# Altium PCB CFD_V1.03.PcbDoc (part 2 of 10)
Units mm, origin at the board's own origin, x right, y up, seen from the top; angles counter-clockwise.
Board outline 96.25 x 362.25 mm, 6 copper layers (Top, L2, L3, L4, L5, Bot), stack 1.496 mm thick; 1353 components, 761 nets, 4147 pads, 1354 vias.
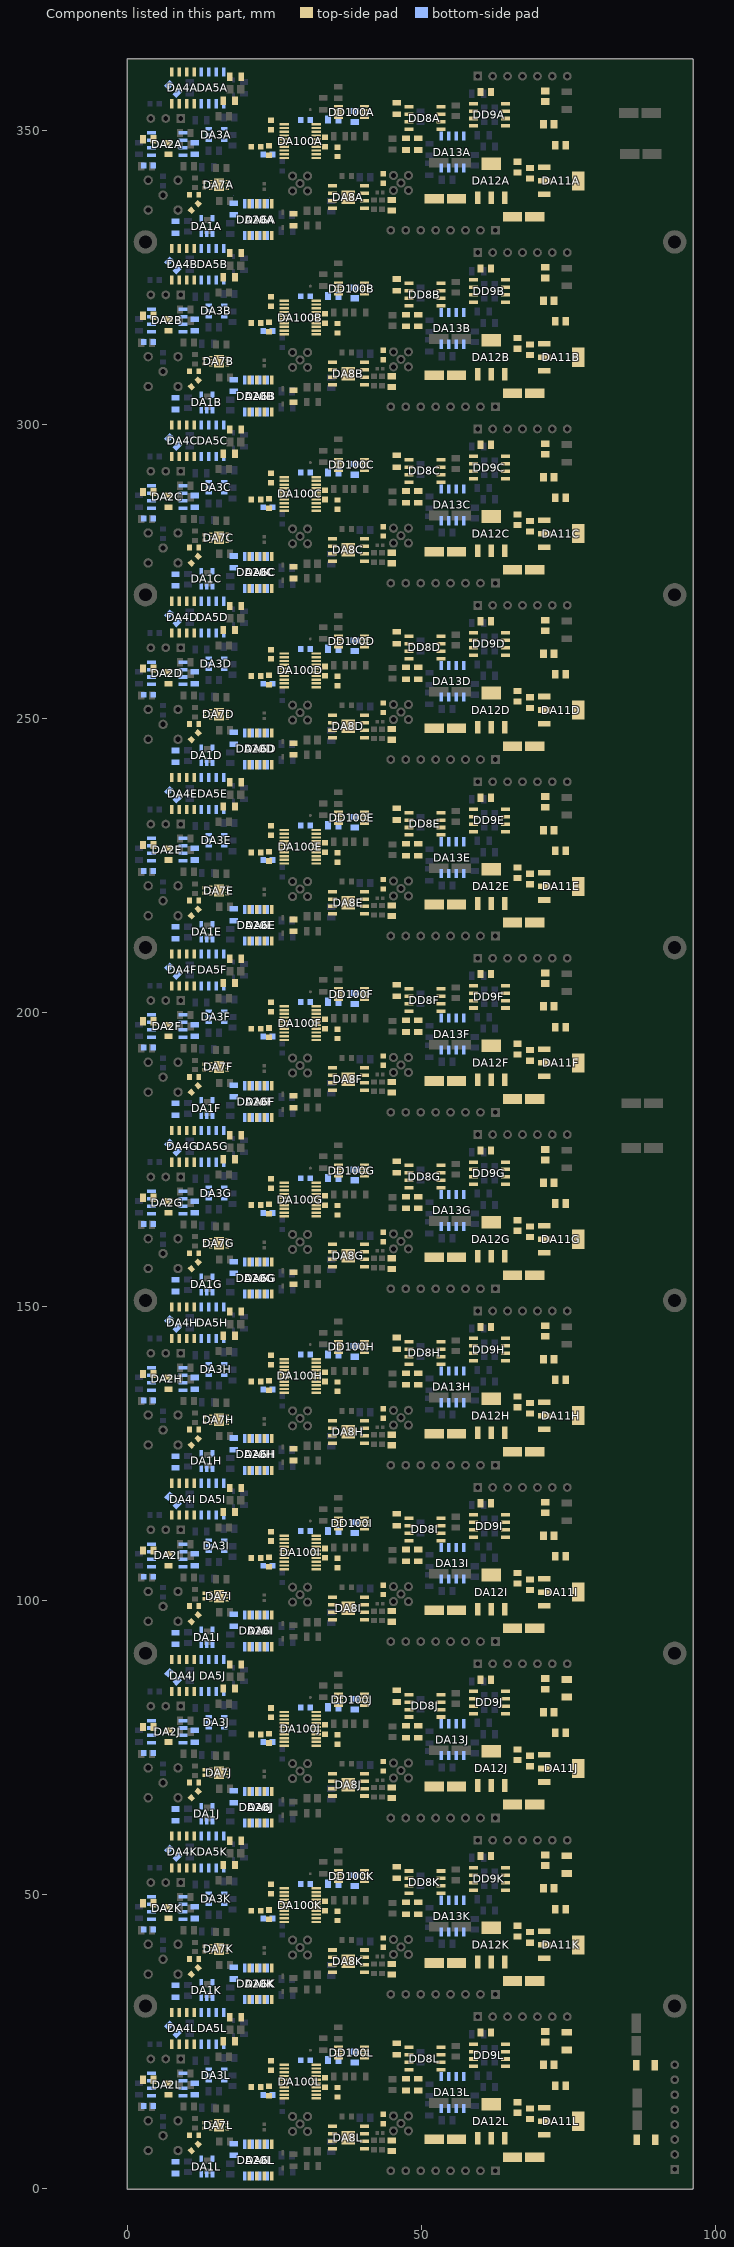
[diagram p6: the components of this part, seen from the top]

## Components (designator, comment, footprint, x,y, rotation, side; value= is the part's Value field where it differs from the comment) (continued)
C47J "4.7uF" CAPC3216X180N 74.662,85.04 r270 top (schematic designator C47)
C47K "4.7uF" CAPC3216X180N 74.662,55.04 r270 top (schematic designator C47)
C47L "4.7uF" CAPC3216X180N 74.662,25.04 r270 top (schematic designator C47)
C71A "220nF" CAPC2012X135N 3.48,348.464 r0 top (schematic designator C71)
C71B "220nF" CAPC2012X135N 3.48,318.464 r0 top (schematic designator C71)
C71C "220nF" CAPC2012X135N 3.48,288.464 r0 top (schematic designator C71)
C71D "220nF" CAPC2012X135N 3.48,258.464 r0 top (schematic designator C71)
C71E "220nF" CAPC2012X135N 3.48,228.464 r0 top (schematic designator C71)
C71F "220nF" CAPC2012X135N 3.48,198.464 r0 top (schematic designator C71)
C71G "220nF" CAPC2012X135N 3.48,168.464 r0 top (schematic designator C71)
C71H "220nF" CAPC2012X135N 3.48,138.464 r0 top (schematic designator C71)
C71I "220nF" CAPC2012X135N 3.48,108.464 r0 top (schematic designator C71)
C71J "220nF" CAPC2012X135N 3.48,78.464 r0 top (schematic designator C71)
C71K "220nF" CAPC2012X135N 3.48,48.464 r0 top (schematic designator C71)
C71L "220nF" CAPC2012X135N 3.48,18.464 r0 top (schematic designator C71)
C73A "220nF" CAPC2012X135N 44.869,337.255 r270 top (schematic designator C73)
C73B "220nF" CAPC2012X135N 44.869,307.255 r270 top (schematic designator C73)
C73C "220nF" CAPC2012X135N 44.869,277.255 r270 top (schematic designator C73)
C73D "220nF" CAPC2012X135N 44.869,247.255 r270 top (schematic designator C73)
C73E "220nF" CAPC2012X135N 44.869,217.255 r270 top (schematic designator C73)
C73F "220nF" CAPC2012X135N 44.869,187.255 r270 top (schematic designator C73)
C73G "220nF" CAPC2012X135N 44.869,157.255 r270 top (schematic designator C73)
C73H "220nF" CAPC2012X135N 44.869,127.255 r270 top (schematic designator C73)
C73I "220nF" CAPC2012X135N 44.869,97.255 r270 top (schematic designator C73)
C73J "220nF" CAPC2012X135N 44.869,67.255 r270 top (schematic designator C73)
C73K "220nF" CAPC2012X135N 44.869,37.255 r270 top (schematic designator C73)
C73L "220nF" CAPC2012X135N 44.869,7.255 r270 top (schematic designator C73)
C129A "220nF" CAPC2012X135N 68.389,342.665 r90 top (schematic designator C129)
C129B "220nF" CAPC2012X135N 68.389,312.665 r90 top (schematic designator C129)
C129C "220nF" CAPC2012X135N 68.389,282.665 r90 top (schematic designator C129)
C129D "220nF" CAPC2012X135N 68.389,252.665 r90 top (schematic designator C129)
C129E "220nF" CAPC2012X135N 68.389,222.665 r90 top (schematic designator C129)
C129F "220nF" CAPC2012X135N 68.389,192.665 r90 top (schematic designator C129)
C129G "220nF" CAPC2012X135N 68.389,162.665 r90 top (schematic designator C129)
C129H "220nF" CAPC2012X135N 68.389,132.665 r90 top (schematic designator C129)
C129I "220nF" CAPC2012X135N 68.389,102.665 r90 top (schematic designator C129)
C129J "220nF" CAPC2012X135N 68.389,72.665 r90 top (schematic designator C129)
C129K "220nF" CAPC2012X135N 68.389,42.665 r90 top (schematic designator C129)
C129L "220nF" CAPC2012X135N 68.389,12.665 r90 top (schematic designator C129)
C135A "47uF" CAPAE530X610N 67.322,335.265 r0 top (schematic designator C135)
C135B "47uF" CAPAE530X610N 67.322,305.265 r0 top (schematic designator C135)
C135C "47uF" CAPAE530X610N 67.322,275.265 r0 top (schematic designator C135)
C135D "47uF" CAPAE530X610N 67.322,245.265 r0 top (schematic designator C135)
C135E "47uF" CAPAE530X610N 67.322,215.265 r0 top (schematic designator C135)
C135F "47uF" CAPAE530X610N 67.322,185.265 r0 top (schematic designator C135)
C135G "47uF" CAPAE530X610N 67.322,155.265 r0 top (schematic designator C135)
C135H "47uF" CAPAE530X610N 67.322,125.265 r0 top (schematic designator C135)
C135I "47uF" CAPAE530X610N 67.322,95.265 r0 top (schematic designator C135)
C135J "47uF" CAPAE530X610N 67.322,65.265 r0 top (schematic designator C135)
C135K "47uF" CAPAE530X610N 67.322,35.265 r0 top (schematic designator C135)
C135L "47uF" CAPAE530X610N 67.322,5.265 r0 top (schematic designator C135)
C145A "220nF" CAPC2012X135N 66.289,343.74 r90 top (schematic designator C145)
C145B "220nF" CAPC2012X135N 66.289,313.74 r90 top (schematic designator C145)
C145C "220nF" CAPC2012X135N 66.289,283.74 r90 top (schematic designator C145)
C145D "220nF" CAPC2012X135N 66.289,253.74 r90 top (schematic designator C145)
C145E "220nF" CAPC2012X135N 66.289,223.74 r90 top (schematic designator C145)
C145F "220nF" CAPC2012X135N 66.289,193.74 r90 top (schematic designator C145)
C145G "220nF" CAPC2012X135N 66.289,163.74 r90 top (schematic designator C145)
C145H "220nF" CAPC2012X135N 66.289,133.74 r90 top (schematic designator C145)
C145I "220nF" CAPC2012X135N 66.289,103.74 r90 top (schematic designator C145)
C145J "220nF" CAPC2012X135N 66.289,73.74 r90 top (schematic designator C145)
C145K "220nF" CAPC2012X135N 66.289,43.74 r90 top (schematic designator C145)
C145L "220nF" CAPC2012X135N 66.289,13.74 r90 top (schematic designator C145)
C146A "47uF" CAPAE530X610N 53.997,338.326 r180 top (schematic designator C146)
C146B "47uF" CAPAE530X610N 53.997,308.326 r180 top (schematic designator C146)
C146C "47uF" CAPAE530X610N 53.997,278.326 r180 top (schematic designator C146)
C146D "47uF" CAPAE530X610N 53.997,248.326 r180 top (schematic designator C146)
C146E "47uF" CAPAE530X610N 53.997,218.326 r180 top (schematic designator C146)
C146F "47uF" CAPAE530X610N 53.997,188.326 r180 top (schematic designator C146)
C146G "47uF" CAPAE530X610N 53.997,158.326 r180 top (schematic designator C146)
C146H "47uF" CAPAE530X610N 53.997,128.326 r180 top (schematic designator C146)
C146I "47uF" CAPAE530X610N 53.997,98.326 r180 top (schematic designator C146)
C146J "47uF" CAPAE530X610N 53.997,68.326 r180 top (schematic designator C146)
C146K "47uF" CAPAE530X610N 53.997,38.326 r180 top (schematic designator C146)
C146L "47uF" CAPAE530X610N 53.997,8.326 r180 top (schematic designator C146)
C300A "220nF" CAPC1608X87N 24.365,350.886 r270 top (schematic designator C300)
C300B "220nF" CAPC1608X87N 24.365,320.886 r270 top (schematic designator C300)
C300C "220nF" CAPC1608X87N 24.365,290.886 r270 top (schematic designator C300)
C300D "220nF" CAPC1608X87N 24.365,260.886 r270 top (schematic designator C300)
C300E "220nF" CAPC1608X87N 24.365,230.886 r270 top (schematic designator C300)
C300F "220nF" CAPC1608X87N 24.365,200.886 r270 top (schematic designator C300)
C300G "220nF" CAPC1608X87N 24.365,170.886 r270 top (schematic designator C300)
C300H "220nF" CAPC1608X87N 24.365,140.886 r270 top (schematic designator C300)
C300I "220nF" CAPC1608X87N 24.365,110.886 r270 top (schematic designator C300)
C300J "220nF" CAPC1608X87N 24.365,80.886 r270 top (schematic designator C300)
C300K "220nF" CAPC1608X87N 24.365,50.886 r270 top (schematic designator C300)
C300L "220nF" CAPC1608X87N 24.365,20.886 r270 top (schematic designator C300)
C301A "220nF" CAPC1608X87N 24.04,346.531 r90 top (schematic designator C301)
C301B "220nF" CAPC1608X87N 24.04,316.531 r90 top (schematic designator C301)
C301C "220nF" CAPC1608X87N 24.04,286.531 r90 top (schematic designator C301)
C301D "220nF" CAPC1608X87N 24.04,256.531 r90 top (schematic designator C301)
C301E "220nF" CAPC1608X87N 24.04,226.531 r90 top (schematic designator C301)
C301F "220nF" CAPC1608X87N 24.04,196.531 r90 top (schematic designator C301)
C301G "220nF" CAPC1608X87N 24.04,166.531 r90 top (schematic designator C301)
C301H "220nF" CAPC1608X87N 24.04,136.531 r90 top (schematic designator C301)
C301I "220nF" CAPC1608X87N 24.04,106.531 r90 top (schematic designator C301)
C301J "220nF" CAPC1608X87N 24.04,76.531 r90 top (schematic designator C301)
C301K "220nF" CAPC1608X87N 24.04,46.531 r90 top (schematic designator C301)
C301L "220nF" CAPC1608X87N 24.04,16.531 r90 top (schematic designator C301)
C302A "220nF" CAPC1608X87N 33.527,348.01 r270 top (schematic designator C302)
C302B "220nF" CAPC1608X87N 33.527,318.01 r270 top (schematic designator C302)
C302C "220nF" CAPC1608X87N 33.527,288.01 r270 top (schematic designator C302)
C302D "220nF" CAPC1608X87N 33.527,258.01 r270 top (schematic designator C302)
C302E "220nF" CAPC1608X87N 33.527,228.01 r270 top (schematic designator C302)
C302F "220nF" CAPC1608X87N 33.527,198.01 r270 top (schematic designator C302)
C302G "220nF" CAPC1608X87N 33.527,168.01 r270 top (schematic designator C302)
C302H "220nF" CAPC1608X87N 33.527,138.01 r270 top (schematic designator C302)
C302I "220nF" CAPC1608X87N 33.527,108.01 r270 top (schematic designator C302)
C302J "220nF" CAPC1608X87N 33.527,78.01 r270 top (schematic designator C302)
C302K "220nF" CAPC1608X87N 33.527,48.01 r270 top (schematic designator C302)
C302L "220nF" CAPC1608X87N 33.527,18.01 r270 top (schematic designator C302)
C303A "220nF" CAPC2012X135N 60.871,356.499 r180 top (schematic designator C303)
C303B "220nF" CAPC2012X135N 60.871,326.499 r180 top (schematic designator C303)
C303C "220nF" CAPC2012X135N 60.871,296.499 r180 top (schematic designator C303)
C303D "220nF" CAPC2012X135N 60.871,266.499 r180 top (schematic designator C303)
C303E "220nF" CAPC2012X135N 60.871,236.499 r180 top (schematic designator C303)
C303F "220nF" CAPC2012X135N 60.871,206.499 r180 top (schematic designator C303)
C303G "220nF" CAPC2012X135N 60.871,176.499 r180 top (schematic designator C303)
C303H "220nF" CAPC2012X135N 60.871,146.499 r180 top (schematic designator C303)
C303I "220nF" CAPC2012X135N 60.871,116.499 r180 top (schematic designator C303)
C303J "220nF" CAPC2012X135N 60.871,86.499 r180 top (schematic designator C303)
C303K "220nF" CAPC2012X135N 60.871,56.499 r180 top (schematic designator C303)
C303L "220nF" CAPC2012X135N 60.871,26.499 r180 top (schematic designator C303)
C400A "220nF" CAPC2012X135N 38.587,352.321 r90 bottom (schematic designator C400)
C400B "220nF" CAPC2012X135N 38.587,322.321 r90 bottom (schematic designator C400)
C400C "220nF" CAPC2012X135N 38.587,292.321 r90 bottom (schematic designator C400)
C400D "220nF" CAPC2012X135N 38.587,262.321 r90 bottom (schematic designator C400)
C400E "220nF" CAPC2012X135N 38.587,232.321 r90 bottom (schematic designator C400)
C400F "220nF" CAPC2012X135N 38.587,202.321 r90 bottom (schematic designator C400)
C400G "220nF" CAPC2012X135N 38.587,172.321 r90 bottom (schematic designator C400)
C400H "220nF" CAPC2012X135N 38.587,142.321 r90 bottom (schematic designator C400)
C400I "220nF" CAPC2012X135N 38.587,112.321 r90 bottom (schematic designator C400)
C400J "220nF" CAPC2012X135N 38.587,82.321 r90 bottom (schematic designator C400)
C400K "220nF" CAPC2012X135N 38.587,52.321 r90 bottom (schematic designator C400)
C400L "220nF" CAPC2012X135N 38.587,22.321 r90 bottom (schematic designator C400)
C401A "220nF" CAPC2012X135N 34.942,351.804 r0 bottom (schematic designator C401)
C401B "220nF" CAPC2012X135N 34.942,321.804 r0 bottom (schematic designator C401)
C401C "220nF" CAPC2012X135N 34.942,291.804 r0 bottom (schematic designator C401)
C401D "220nF" CAPC2012X135N 34.942,261.804 r0 bottom (schematic designator C401)
C401E "220nF" CAPC2012X135N 34.942,231.804 r0 bottom (schematic designator C401)
C401F "220nF" CAPC2012X135N 34.942,201.804 r0 bottom (schematic designator C401)
C401G "220nF" CAPC2012X135N 34.942,171.804 r0 bottom (schematic designator C401)
C401H "220nF" CAPC2012X135N 34.942,141.804 r0 bottom (schematic designator C401)
C401I "220nF" CAPC2012X135N 34.942,111.804 r0 bottom (schematic designator C401)
C401J "220nF" CAPC2012X135N 34.942,81.804 r0 bottom (schematic designator C401)
C401K "220nF" CAPC2012X135N 34.942,51.804 r0 bottom (schematic designator C401)
C401L "220nF" CAPC2012X135N 34.942,21.804 r0 bottom (schematic designator C401)
C402A "220nF" CAPC1608X87N 30.223,351.772 r0 bottom (schematic designator C402)
C402B "220nF" CAPC1608X87N 30.223,321.772 r0 bottom (schematic designator C402)
C402C "220nF" CAPC1608X87N 30.223,291.772 r0 bottom (schematic designator C402)
C402D "220nF" CAPC1608X87N 30.223,261.772 r0 bottom (schematic designator C402)
C402E "220nF" CAPC1608X87N 30.223,231.772 r0 bottom (schematic designator C402)
C402F "220nF" CAPC1608X87N 30.223,201.772 r0 bottom (schematic designator C402)
C402G "220nF" CAPC1608X87N 30.223,171.772 r0 bottom (schematic designator C402)
C402H "220nF" CAPC1608X87N 30.223,141.772 r0 bottom (schematic designator C402)
C402I "220nF" CAPC1608X87N 30.223,111.772 r0 bottom (schematic designator C402)
C402J "220nF" CAPC1608X87N 30.223,81.772 r0 bottom (schematic designator C402)
C402K "220nF" CAPC1608X87N 30.223,51.772 r0 bottom (schematic designator C402)
C402L "220nF" CAPC1608X87N 30.223,21.772 r0 bottom (schematic designator C402)
C403A "220nF" CAPC1608X87N 23.809,345.878 r0 bottom (schematic designator C403)
C403B "220nF" CAPC1608X87N 23.809,315.878 r0 bottom (schematic designator C403)
C403C "220nF" CAPC1608X87N 23.809,285.878 r0 bottom (schematic designator C403)
C403D "220nF" CAPC1608X87N 23.809,255.878 r0 bottom (schematic designator C403)
C403E "220nF" CAPC1608X87N 23.809,225.878 r0 bottom (schematic designator C403)
C403F "220nF" CAPC1608X87N 23.809,195.878 r0 bottom (schematic designator C403)
C403G "220nF" CAPC1608X87N 23.809,165.878 r0 bottom (schematic designator C403)
C403H "220nF" CAPC1608X87N 23.809,135.878 r0 bottom (schematic designator C403)
C403I "220nF" CAPC1608X87N 23.809,105.878 r0 bottom (schematic designator C403)
C403J "220nF" CAPC1608X87N 23.809,75.878 r0 bottom (schematic designator C403)
C403K "220nF" CAPC1608X87N 23.809,45.878 r0 bottom (schematic designator C403)
C403L "220nF" CAPC1608X87N 23.809,15.878 r0 bottom (schematic designator C403)
DA1A "MAX1735EUK30+T" SOT95P280X145-5N 13.452,333.709 r90 bottom (schematic designator DA1)
DA1B "MAX1735EUK30+T" SOT95P280X145-5N 13.452,303.709 r90 bottom (schematic designator DA1)
DA1C "MAX1735EUK30+T" SOT95P280X145-5N 13.452,273.709 r90 bottom (schematic designator DA1)
DA1D "MAX1735EUK30+T" SOT95P280X145-5N 13.452,243.709 r90 bottom (schematic designator DA1)
DA1E "MAX1735EUK30+T" SOT95P280X145-5N 13.452,213.709 r90 bottom (schematic designator DA1)
DA1F "MAX1735EUK30+T" SOT95P280X145-5N 13.452,183.709 r90 bottom (schematic designator DA1)
DA1G "MAX1735EUK30+T" SOT95P280X145-5N 13.452,153.709 r90 bottom (schematic designator DA1)
DA1H "MAX1735EUK30+T" SOT95P280X145-5N 13.452,123.709 r90 bottom (schematic designator DA1)
DA1I "MAX1735EUK30+T" SOT95P280X145-5N 13.452,93.709 r90 bottom (schematic designator DA1)
DA1J "MAX1735EUK30+T" SOT95P280X145-5N 13.452,63.709 r90 bottom (schematic designator DA1)
DA1K "MAX1735EUK30+T" SOT95P280X145-5N 13.452,33.709 r90 bottom (schematic designator DA1)
DA1L "MAX1735EUK30+T" SOT95P280X145-5N 13.452,3.709 r90 bottom (schematic designator DA1)
DA2A "AD8138AR" SOIC127P600X175-8N 6.7,347.65 r0 bottom (schematic designator DA2)
DA2B "AD8138AR" SOIC127P600X175-8N 6.7,317.65 r0 bottom (schematic designator DA2)
DA2C "AD8138AR" SOIC127P600X175-8N 6.7,287.65 r0 bottom (schematic designator DA2)
DA2D "AD8138AR" SOIC127P600X175-8N 6.7,257.65 r0 bottom (schematic designator DA2)
DA2E "AD8138AR" SOIC127P600X175-8N 6.7,227.65 r0 bottom (schematic designator DA2)
DA2F "AD8138AR" SOIC127P600X175-8N 6.7,197.65 r0 bottom (schematic designator DA2)
DA2G "AD8138AR" SOIC127P600X175-8N 6.7,167.65 r0 bottom (schematic designator DA2)
DA2H "AD8138AR" SOIC127P600X175-8N 6.7,137.65 r0 bottom (schematic designator DA2)
DA2I "AD8138AR" SOIC127P600X175-8N 6.7,107.65 r0 bottom (schematic designator DA2)
DA2J "AD8138AR" SOIC127P600X175-8N 6.7,77.65 r0 bottom (schematic designator DA2)
DA2K "AD8138AR" SOIC127P600X175-8N 6.7,47.65 r0 bottom (schematic designator DA2)
DA2L "AD8138AR" SOIC127P600X175-8N 6.7,17.65 r0 bottom (schematic designator DA2)
DA3A "LP2985AIM5-2.5" SOT95P280X145-5N 15.07,349.264 r0 bottom (schematic designator DA3)
DA3B "LP2985AIM5-2.5" SOT95P280X145-5N 15.07,319.264 r0 bottom (schematic designator DA3)
DA3C "LP2985AIM5-2.5" SOT95P280X145-5N 15.07,289.264 r0 bottom (schematic designator DA3)
DA3D "LP2985AIM5-2.5" SOT95P280X145-5N 15.07,259.264 r0 bottom (schematic designator DA3)
DA3E "LP2985AIM5-2.5" SOT95P280X145-5N 15.07,229.264 r0 bottom (schematic designator DA3)
DA3F "LP2985AIM5-2.5" SOT95P280X145-5N 15.07,199.264 r0 bottom (schematic designator DA3)
DA3G "LP2985AIM5-2.5" SOT95P280X145-5N 15.07,169.264 r0 bottom (schematic designator DA3)
DA3H "LP2985AIM5-2.5" SOT95P280X145-5N 15.07,139.264 r0 bottom (schematic designator DA3)
DA3I "LP2985AIM5-2.5" SOT95P280X145-5N 15.07,109.264 r0 bottom (schematic designator DA3)
DA3J "LP2985AIM5-2.5" SOT95P280X145-5N 15.07,79.264 r0 bottom (schematic designator DA3)
DA3K "LP2985AIM5-2.5" SOT95P280X145-5N 15.07,49.264 r0 bottom (schematic designator DA3)
DA3L "LP2985AIM5-2.5" SOT95P280X145-5N 15.07,19.264 r0 bottom (schematic designator DA3)
DA4A "AD8671ARZ" SOIC127P600X175-8N 9.362,357.2 r270 top (schematic designator DA4)
DA4B "AD8671ARZ" SOIC127P600X175-8N 9.362,327.2 r270 top (schematic designator DA4)
DA4C "AD8671ARZ" SOIC127P600X175-8N 9.362,297.2 r270 top (schematic designator DA4)
DA4D "AD8671ARZ" SOIC127P600X175-8N 9.362,267.2 r270 top (schematic designator DA4)
DA4E "AD8671ARZ" SOIC127P600X175-8N 9.362,237.2 r270 top (schematic designator DA4)
DA4F "AD8671ARZ" SOIC127P600X175-8N 9.362,207.2 r270 top (schematic designator DA4)
DA4G "AD8671ARZ" SOIC127P600X175-8N 9.362,177.2 r270 top (schematic designator DA4)
DA4H "AD8671ARZ" SOIC127P600X175-8N 9.362,147.2 r270 top (schematic designator DA4)
DA4I "AD8671ARZ" SOIC127P600X175-8N 9.362,117.2 r270 top (schematic designator DA4)
DA4J "AD8671ARZ" SOIC127P600X175-8N 9.362,87.2 r270 top (schematic designator DA4)
DA4K "AD8671ARZ" SOIC127P600X175-8N 9.362,57.2 r270 top (schematic designator DA4)
DA4L "AD8671ARZ" SOIC127P600X175-8N 9.362,27.2 r270 top (schematic designator DA4)
DA5A "AD8055AR" SOIC127P600X175-8N 14.432,357.2 r90 bottom (schematic designator DA5)
DA5B "AD8055AR" SOIC127P600X175-8N 14.432,327.2 r90 bottom (schematic designator DA5)
DA5C "AD8055AR" SOIC127P600X175-8N 14.432,297.2 r90 bottom (schematic designator DA5)
DA5D "AD8055AR" SOIC127P600X175-8N 14.432,267.2 r90 bottom (schematic designator DA5)
DA5E "AD8055AR" SOIC127P600X175-8N 14.432,237.2 r90 bottom (schematic designator DA5)
DA5F "AD8055AR" SOIC127P600X175-8N 14.432,207.2 r90 bottom (schematic designator DA5)
DA5G "AD8055AR" SOIC127P600X175-8N 14.432,177.2 r90 bottom (schematic designator DA5)
DA5H "AD8055AR" SOIC127P600X175-8N 14.432,147.2 r90 bottom (schematic designator DA5)
DA5I "AD8055AR" SOIC127P600X175-8N 14.432,117.2 r90 bottom (schematic designator DA5)
DA5J "AD8055AR" SOIC127P600X175-8N 14.432,87.2 r90 bottom (schematic designator DA5)
DA5K "AD8055AR" SOIC127P600X175-8N 14.432,57.2 r90 bottom (schematic designator DA5)
DA5L "AD8055AR" SOIC127P600X175-8N 14.432,27.2 r90 bottom (schematic designator DA5)
DA6A "AD8055AR" SOIC127P600X175-8N 22.57,334.8 r270 top (schematic designator DA6)
DA6B "AD8055AR" SOIC127P600X175-8N 22.57,304.8 r270 top (schematic designator DA6)
DA6C "AD8055AR" SOIC127P600X175-8N 22.57,274.8 r270 top (schematic designator DA6)
DA6D "AD8055AR" SOIC127P600X175-8N 22.57,244.8 r270 top (schematic designator DA6)
DA6E "AD8055AR" SOIC127P600X175-8N 22.57,214.8 r270 top (schematic designator DA6)
DA6F "AD8055AR" SOIC127P600X175-8N 22.57,184.8 r270 top (schematic designator DA6)
DA6G "AD8055AR" SOIC127P600X175-8N 22.57,154.8 r270 top (schematic designator DA6)
DA6H "AD8055AR" SOIC127P600X175-8N 22.57,124.8 r270 top (schematic designator DA6)
DA6I "AD8055AR" SOIC127P600X175-8N 22.57,94.8 r270 top (schematic designator DA6)
DA6J "AD8055AR" SOIC127P600X175-8N 22.57,64.8 r270 top (schematic designator DA6)
DA6K "AD8055AR" SOIC127P600X175-8N 22.57,34.8 r270 top (schematic designator DA6)
DA6L "AD8055AR" SOIC127P600X175-8N 22.57,4.8 r270 top (schematic designator DA6)
DA7A "LMH6629SDE" TEXAS_NGQ0008A 15.5,340.7 r0 top (schematic designator DA7)
DA7B "LMH6629SDE" TEXAS_NGQ0008A 15.5,310.7 r0 top (schematic designator DA7)
DA7C "LMH6629SDE" TEXAS_NGQ0008A 15.5,280.7 r0 top (schematic designator DA7)
DA7D "LMH6629SDE" TEXAS_NGQ0008A 15.5,250.7 r0 top (schematic designator DA7)
DA7E "LMH6629SDE" TEXAS_NGQ0008A 15.5,220.7 r0 top (schematic designator DA7)
DA7F "LMH6629SDE" TEXAS_NGQ0008A 15.5,190.7 r0 top (schematic designator DA7)
DA7G "LMH6629SDE" TEXAS_NGQ0008A 15.5,160.7 r0 top (schematic designator DA7)
DA7H "LMH6629SDE" TEXAS_NGQ0008A 15.5,130.7 r0 top (schematic designator DA7)
DA7I "LMH6629SDE" TEXAS_NGQ0008A 15.5,100.7 r0 top (schematic designator DA7)
DA7J "LMH6629SDE" TEXAS_NGQ0008A 15.5,70.7 r0 top (schematic designator DA7)
DA7K "LMH6629SDE" TEXAS_NGQ0008A 15.5,40.7 r0 top (schematic designator DA7)
DA7L "LMH6629SDE" TEXAS_NGQ0008A 15.5,10.7 r0 top (schematic designator DA7)
DA8A "AD8000YRDZ" SOIC127P600X175-9N-S229 37.525,338.626 r180 top (schematic designator DA8)
DA8B "AD8000YRDZ" SOIC127P600X175-9N-S229 37.525,308.626 r180 top (schematic designator DA8)
DA8C "AD8000YRDZ" SOIC127P600X175-9N-S229 37.525,278.626 r180 top (schematic designator DA8)
DA8D "AD8000YRDZ" SOIC127P600X175-9N-S229 37.525,248.626 r180 top (schematic designator DA8)
DA8E "AD8000YRDZ" SOIC127P600X175-9N-S229 37.525,218.626 r180 top (schematic designator DA8)
DA8F "AD8000YRDZ" SOIC127P600X175-9N-S229 37.525,188.626 r180 top (schematic designator DA8)
DA8G "AD8000YRDZ" SOIC127P600X175-9N-S229 37.525,158.626 r180 top (schematic designator DA8)
DA8H "AD8000YRDZ" SOIC127P600X175-9N-S229 37.525,128.626 r180 top (schematic designator DA8)
DA8I "AD8000YRDZ" SOIC127P600X175-9N-S229 37.525,98.626 r180 top (schematic designator DA8)
DA8J "AD8000YRDZ" SOIC127P600X175-9N-S229 37.525,68.626 r180 top (schematic designator DA8)
DA8K "AD8000YRDZ" SOIC127P600X175-9N-S229 37.525,38.626 r180 top (schematic designator DA8)
DA8L "AD8000YRDZ" SOIC127P600X175-9N-S229 37.525,8.626 r180 top (schematic designator DA8)
DA11A "LT1129CST-5" SOT230P700X180-4N 73.7,341.4 r0 top (schematic designator DA11)
DA11B "LT1129CST-5" SOT230P700X180-4N 73.7,311.4 r0 top (schematic designator DA11)
DA11C "LT1129CST-5" SOT230P700X180-4N 73.7,281.4 r0 top (schematic designator DA11)
DA11D "LT1129CST-5" SOT230P700X180-4N 73.7,251.4 r0 top (schematic designator DA11)
DA11E "LT1129CST-5" SOT230P700X180-4N 73.7,221.4 r0 top (schematic designator DA11)
DA11F "LT1129CST-5" SOT230P700X180-4N 73.7,191.4 r0 top (schematic designator DA11)
DA11G "LT1129CST-5" SOT230P700X180-4N 73.7,161.4 r0 top (schematic designator DA11)
DA11H "LT1129CST-5" SOT230P700X180-4N 73.7,131.4 r0 top (schematic designator DA11)
DA11I "LT1129CST-5" SOT230P700X180-4N 73.7,101.4 r0 top (schematic designator DA11)
DA11J "LT1129CST-5" SOT230P700X180-4N 73.7,71.4 r0 top (schematic designator DA11)
DA11K "LT1129CST-5" SOT230P700X180-4N 73.7,41.4 r0 top (schematic designator DA11)
DA11L "LT1129CST-5" SOT230P700X180-4N 73.7,11.4 r0 top (schematic designator DA11)
DA12A "LT1175CST-5" SOT230P700X180-4N 61.8,341.4 r90 top (schematic designator DA12)
DA12B "LT1175CST-5" SOT230P700X180-4N 61.8,311.4 r90 top (schematic designator DA12)
DA12C "LT1175CST-5" SOT230P700X180-4N 61.8,281.4 r90 top (schematic designator DA12)
DA12D "LT1175CST-5" SOT230P700X180-4N 61.8,251.4 r90 top (schematic designator DA12)
DA12E "LT1175CST-5" SOT230P700X180-4N 61.8,221.4 r90 top (schematic designator DA12)
DA12F "LT1175CST-5" SOT230P700X180-4N 61.8,191.4 r90 top (schematic designator DA12)
DA12G "LT1175CST-5" SOT230P700X180-4N 61.8,161.4 r90 top (schematic designator DA12)
DA12H "LT1175CST-5" SOT230P700X180-4N 61.8,131.4 r90 top (schematic designator DA12)
DA12I "LT1175CST-5" SOT230P700X180-4N 61.8,101.4 r90 top (schematic designator DA12)
DA12J "LT1175CST-5" SOT230P700X180-4N 61.8,71.4 r90 top (schematic designator DA12)
DA12K "LT1175CST-5" SOT230P700X180-4N 61.8,41.4 r90 top (schematic designator DA12)
DA12L "LT1175CST-5" SOT230P700X180-4N 61.8,11.4 r90 top (schematic designator DA12)
DA13A "UCC284DP-ADJ" SOIC127P600X175-8N 55.21,346.298 r90 bottom (schematic designator DA13)
DA13B "UCC284DP-ADJ" SOIC127P600X175-8N 55.21,316.298 r90 bottom (schematic designator DA13)
DA13C "UCC284DP-ADJ" SOIC127P600X175-8N 55.21,286.298 r90 bottom (schematic designator DA13)
DA13D "UCC284DP-ADJ" SOIC127P600X175-8N 55.21,256.298 r90 bottom (schematic designator DA13)
DA13E "UCC284DP-ADJ" SOIC127P600X175-8N 55.21,226.298 r90 bottom (schematic designator DA13)
DA13F "UCC284DP-ADJ" SOIC127P600X175-8N 55.21,196.298 r90 bottom (schematic designator DA13)
DA13G "UCC284DP-ADJ" SOIC127P600X175-8N 55.21,166.298 r90 bottom (schematic designator DA13)
DA13H "UCC284DP-ADJ" SOIC127P600X175-8N 55.21,136.298 r90 bottom (schematic designator DA13)
DA13I "UCC284DP-ADJ" SOIC127P600X175-8N 55.21,106.298 r90 bottom (schematic designator DA13)
DA13J "UCC284DP-ADJ" SOIC127P600X175-8N 55.21,76.298 r90 bottom (schematic designator DA13)
DA13K "UCC284DP-ADJ" SOIC127P600X175-8N 55.21,46.298 r90 bottom (schematic designator DA13)
DA13L "UCC284DP-ADJ" SOIC127P600X175-8N 55.21,16.298 r90 bottom (schematic designator DA13)
DA20A "AD8671ARZ" SOIC127P600X175-8N 21.794,334.8 r90 bottom (schematic designator DA20)
DA20B "AD8671ARZ" SOIC127P600X175-8N 21.794,304.8 r90 bottom (schematic designator DA20)
DA20C "AD8671ARZ" SOIC127P600X175-8N 21.794,274.8 r90 bottom (schematic designator DA20)
DA20D "AD8671ARZ" SOIC127P600X175-8N 21.794,244.8 r90 bottom (schematic designator DA20)
DA20E "AD8671ARZ" SOIC127P600X175-8N 21.794,214.8 r90 bottom (schematic designator DA20)
DA20F "AD8671ARZ" SOIC127P600X175-8N 21.794,184.8 r90 bottom (schematic designator DA20)
DA20G "AD8671ARZ" SOIC127P600X175-8N 21.794,154.8 r90 bottom (schematic designator DA20)
DA20H "AD8671ARZ" SOIC127P600X175-8N 21.794,124.8 r90 bottom (schematic designator DA20)
DA20I "AD8671ARZ" SOIC127P600X175-8N 21.794,94.8 r90 bottom (schematic designator DA20)
DA20J "AD8671ARZ" SOIC127P600X175-8N 21.794,64.8 r90 bottom (schematic designator DA20)
DA20K "AD8671ARZ" SOIC127P600X175-8N 21.794,34.8 r90 bottom (schematic designator DA20)
DA20L "AD8671ARZ" SOIC127P600X175-8N 21.794,4.8 r90 bottom (schematic designator DA20)
DA100A "ADCMP562BRQZ" SOP63P600X175-20AN 29.33,348.147 r0 top (schematic designator DA100)
DA100B "ADCMP562BRQZ" SOP63P600X175-20AN 29.33,318.147 r0 top (schematic designator DA100)
DA100C "ADCMP562BRQZ" SOP63P600X175-20AN 29.33,288.147 r0 top (schematic designator DA100)
DA100D "ADCMP562BRQZ" SOP63P600X175-20AN 29.33,258.147 r0 top (schematic designator DA100)
DA100E "ADCMP562BRQZ" SOP63P600X175-20AN 29.33,228.147 r0 top (schematic designator DA100)
DA100F "ADCMP562BRQZ" SOP63P600X175-20AN 29.33,198.147 r0 top (schematic designator DA100)
DA100G "ADCMP562BRQZ" SOP63P600X175-20AN 29.33,168.147 r0 top (schematic designator DA100)
DA100H "ADCMP562BRQZ" SOP63P600X175-20AN 29.33,138.147 r0 top (schematic designator DA100)
DA100I "ADCMP562BRQZ" SOP63P600X175-20AN 29.33,108.147 r0 top (schematic designator DA100)
DA100J "ADCMP562BRQZ" SOP63P600X175-20AN 29.33,78.147 r0 top (schematic designator DA100)
DA100K "ADCMP562BRQZ" SOP63P600X175-20AN 29.33,48.147 r0 top (schematic designator DA100)
DA100L "ADCMP562BRQZ" SOP63P600X175-20AN 29.33,18.147 r0 top (schematic designator DA100)
DD8A "MC100EP51DG" SOIC127P600X175-8N 50.53,352.06 r0 top (schematic designator DD8)
DD8B "MC100EP51DG" SOIC127P600X175-8N 50.53,322.06 r0 top (schematic designator DD8)
DD8C "MC100EP51DG" SOIC127P600X175-8N 50.53,292.06 r0 top (schematic designator DD8)
DD8D "MC100EP51DG" SOIC127P600X175-8N 50.53,262.06 r0 top (schematic designator DD8)
DD8E "MC100EP51DG" SOIC127P600X175-8N 50.53,232.06 r0 top (schematic designator DD8)
DD8F "MC100EP51DG" SOIC127P600X175-8N 50.53,202.06 r0 top (schematic designator DD8)
DD8G "MC100EP51DG" SOIC127P600X175-8N 50.53,172.06 r0 top (schematic designator DD8)
DD8H "MC100EP51DG" SOIC127P600X175-8N 50.53,142.06 r0 top (schematic designator DD8)
DD8I "MC100EP51DG" SOIC127P600X175-8N 50.53,112.06 r0 top (schematic designator DD8)
DD8J "MC100EP51DG" SOIC127P600X175-8N 50.53,82.06 r0 top (schematic designator DD8)
DD8K "MC100EP51DG" SOIC127P600X175-8N 50.53,52.06 r0 top (schematic designator DD8)
DD8L "MC100EP51DG" SOIC127P600X175-8N 50.53,22.06 r0 top (schematic designator DD8)
DD9A "MC100EP16D" SOIC127P600X175-8N 61.5,352.63 r180 top (schematic designator DD9)
DD9B "MC100EP16D" SOIC127P600X175-8N 61.5,322.63 r180 top (schematic designator DD9)
DD9C "MC100EP16D" SOIC127P600X175-8N 61.5,292.63 r180 top (schematic designator DD9)
DD9D "MC100EP16D" SOIC127P600X175-8N 61.5,262.63 r180 top (schematic designator DD9)
DD9E "MC100EP16D" SOIC127P600X175-8N 61.5,232.63 r180 top (schematic designator DD9)
DD9F "MC100EP16D" SOIC127P600X175-8N 61.5,202.63 r180 top (schematic designator DD9)
DD9G "MC100EP16D" SOIC127P600X175-8N 61.5,172.63 r180 top (schematic designator DD9)
DD9H "MC100EP16D" SOIC127P600X175-8N 61.5,142.63 r180 top (schematic designator DD9)
DD9I "MC100EP16D" SOIC127P600X175-8N 61.5,112.63 r180 top (schematic designator DD9)
DD9J "MC100EP16D" SOIC127P600X175-8N 61.5,82.63 r180 top (schematic designator DD9)
DD9K "MC100EP16D" SOIC127P600X175-8N 61.5,52.63 r180 top (schematic designator DD9)
DD9L "MC100EP16D" SOIC127P600X175-8N 61.5,22.63 r180 top (schematic designator DD9)
DD100A "MC10EP51D" SOP65P490X110-8N 38.058,353.083 r0 top (schematic designator DD100)
DD100B "MC10EP51D" SOP65P490X110-8N 38.058,323.083 r0 top (schematic designator DD100)
DD100C "MC10EP51D" SOP65P490X110-8N 38.058,293.083 r0 top (schematic designator DD100)
DD100D "MC10EP51D" SOP65P490X110-8N 38.058,263.083 r0 top (schematic designator DD100)
DD100E "MC10EP51D" SOP65P490X110-8N 38.058,233.083 r0 top (schematic designator DD100)
DD100F "MC10EP51D" SOP65P490X110-8N 38.058,203.083 r0 top (schematic designator DD100)
DD100G "MC10EP51D" SOP65P490X110-8N 38.058,173.083 r0 top (schematic designator DD100)
DD100H "MC10EP51D" SOP65P490X110-8N 38.058,143.083 r0 top (schematic designator DD100)
DD100I "MC10EP51D" SOP65P490X110-8N 38.058,113.083 r0 top (schematic designator DD100)
DD100J "MC10EP51D" SOP65P490X110-8N 38.058,83.083 r0 top (schematic designator DD100)
DD100K "MC10EP51D" SOP65P490X110-8N 38.058,53.083 r0 top (schematic designator DD100)
DD100L "MC10EP51D" SOP65P490X110-8N 38.058,23.083 r0 top (schematic designator DD100)
L1A "220R@100MHz" INDC2012X105N 70.956,355.785 r90 top (schematic designator L1)
L1B "220R@100MHz" INDC2012X105N 70.956,325.785 r90 top (schematic designator L1)
L1C "220R@100MHz" INDC2012X105N 70.956,295.785 r90 top (schematic designator L1)
L1D "220R@100MHz" INDC2012X105N 70.956,265.785 r90 top (schematic designator L1)
L1E "220R@100MHz" INDC2012X105N 70.956,235.785 r90 top (schematic designator L1)
L1F "220R@100MHz" INDC2012X105N 70.956,205.785 r90 top (schematic designator L1)
L1G "220R@100MHz" INDC2012X105N 70.956,175.785 r90 top (schematic designator L1)
L1H "220R@100MHz" INDC2012X105N 70.956,145.785 r90 top (schematic designator L1)
L1I "220R@100MHz" INDC2012X105N 70.956,115.785 r90 top (schematic designator L1)
L1J "220R@100MHz" INDC2012X105N 70.956,85.785 r90 top (schematic designator L1)
L1K "220R@100MHz" INDC2012X105N 70.956,55.785 r90 top (schematic designator L1)
L1L "220R@100MHz" INDC2012X105N 70.956,25.785 r90 top (schematic designator L1)
L2 "120R@100MHz" IND_MURATA_BLM31KN 88.138,8.255 r180 top
L4 "120R@100MHz" IND_MURATA_BLM31KN 88.025,20.94 r180 top
L8A "220R@100MHz" INDC2012X105N 73.578,347.479 r180 top (schematic designator L8)
L8B "220R@100MHz" INDC2012X105N 73.578,317.479 r180 top (schematic designator L8)
L8C "220R@100MHz" INDC2012X105N 73.578,287.479 r180 top (schematic designator L8)
L8D "220R@100MHz" INDC2012X105N 73.578,257.479 r180 top (schematic designator L8)
L8E "220R@100MHz" INDC2012X105N 73.578,227.479 r180 top (schematic designator L8)
L8F "220R@100MHz" INDC2012X105N 73.578,197.479 r180 top (schematic designator L8)
L8G "220R@100MHz" INDC2012X105N 73.578,167.479 r180 top (schematic designator L8)
L8H "220R@100MHz" INDC2012X105N 73.578,137.479 r180 top (schematic designator L8)
L8I "220R@100MHz" INDC2012X105N 73.578,107.479 r180 top (schematic designator L8)
L8J "220R@100MHz" INDC2012X105N 73.578,77.479 r180 top (schematic designator L8)
L8K "220R@100MHz" INDC2012X105N 73.578,47.479 r180 top (schematic designator L8)
L8L "220R@100MHz" INDC2012X105N 73.578,17.479 r180 top (schematic designator L8)
L9A "220R@100MHz" INDC2012X105N 71.582,350.993 r180 top (schematic designator L9)
L9B "220R@100MHz" INDC2012X105N 71.582,320.993 r180 top (schematic designator L9)
L9C "220R@100MHz" INDC2012X105N 71.582,290.993 r180 top (schematic designator L9)
L9D "220R@100MHz" INDC2012X105N 71.582,260.993 r180 top (schematic designator L9)
L9E "220R@100MHz" INDC2012X105N 71.582,230.993 r180 top (schematic designator L9)
L9F "220R@100MHz" INDC2012X105N 71.582,200.993 r180 top (schematic designator L9)
L9G "220R@100MHz" INDC2012X105N 71.582,170.993 r180 top (schematic designator L9)
L9H "220R@100MHz" INDC2012X105N 71.582,140.993 r180 top (schematic designator L9)
L9I "220R@100MHz" INDC2012X105N 71.582,110.993 r180 top (schematic designator L9)
L9J "220R@100MHz" INDC2012X105N 71.582,80.993 r180 top (schematic designator L9)
L9K "220R@100MHz" INDC2012X105N 71.582,50.993 r180 top (schematic designator L9)
L9L "220R@100MHz" INDC2012X105N 71.582,20.993 r180 top (schematic designator L9)
L300A "100R@100MHz" INDC1608X75N 21.8,347.2 r0 top (schematic designator L300)
L300B "100R@100MHz" INDC1608X75N 21.8,317.2 r0 top (schematic designator L300)
L300C "100R@100MHz" INDC1608X75N 21.8,287.2 r0 top (schematic designator L300)
L300D "100R@100MHz" INDC1608X75N 21.8,257.2 r0 top (schematic designator L300)
L300E "100R@100MHz" INDC1608X75N 21.8,227.2 r0 top (schematic designator L300)
L300F "100R@100MHz" INDC1608X75N 21.8,197.2 r0 top (schematic designator L300)
L300G "100R@100MHz" INDC1608X75N 21.8,167.2 r0 top (schematic designator L300)
L300H "100R@100MHz" INDC1608X75N 21.8,137.2 r0 top (schematic designator L300)
L300I "100R@100MHz" INDC1608X75N 21.8,107.2 r0 top (schematic designator L300)
L300J "100R@100MHz" INDC1608X75N 21.8,77.2 r0 top (schematic designator L300)
L300K "100R@100MHz" INDC1608X75N 21.8,47.2 r0 top (schematic designator L300)
L300L "100R@100MHz" INDC1608X75N 21.8,17.2 r0 top (schematic designator L300)
L301A "100R@100MHz" INDC1608X75N 35.648,346.33 r270 top (schematic designator L301)
L301B "100R@100MHz" INDC1608X75N 35.648,316.33 r270 top (schematic designator L301)
L301C "100R@100MHz" INDC1608X75N 35.648,286.33 r270 top (schematic designator L301)
L301D "100R@100MHz" INDC1608X75N 35.648,256.33 r270 top (schematic designator L301)
L301E "100R@100MHz" INDC1608X75N 35.648,226.33 r270 top (schematic designator L301)
L301F "100R@100MHz" INDC1608X75N 35.648,196.33 r270 top (schematic designator L301)
L301G "100R@100MHz" INDC1608X75N 35.648,166.33 r270 top (schematic designator L301)
L301H "100R@100MHz" INDC1608X75N 35.648,136.33 r270 top (schematic designator L301)
L301I "100R@100MHz" INDC1608X75N 35.648,106.33 r270 top (schematic designator L301)
L301J "100R@100MHz" INDC1608X75N 35.648,76.33 r270 top (schematic designator L301)
L301K "100R@100MHz" INDC1608X75N 35.648,46.33 r270 top (schematic designator L301)
L301L "100R@100MHz" INDC1608X75N 35.648,16.33 r270 top (schematic designator L301)
R1A "20" RESC2012X60N 8.112,333.514 r270 bottom (schematic designator R1)
R1B "20" RESC2012X60N 8.112,303.514 r270 bottom (schematic designator R1)
R1C "20" RESC2012X60N 8.112,273.514 r270 bottom (schematic designator R1)
R1D "20" RESC2012X60N 8.112,243.514 r270 bottom (schematic designator R1)
R1E "20" RESC2012X60N 8.112,213.514 r270 bottom (schematic designator R1)
R1F "20" RESC2012X60N 8.112,183.514 r270 bottom (schematic designator R1)
R1G "20" RESC2012X60N 8.112,153.514 r270 bottom (schematic designator R1)
R1H "20" RESC2012X60N 8.112,123.514 r270 bottom (schematic designator R1)
R1I "20" RESC2012X60N 8.112,93.514 r270 bottom (schematic designator R1)
R1J "20" RESC2012X60N 8.112,63.514 r270 bottom (schematic designator R1)
R1K "20" RESC2012X60N 8.112,33.514 r270 bottom (schematic designator R1)
R1L "20" RESC2012X60N 8.112,3.514 r270 bottom (schematic designator R1)
R2A "36" RESC1608X64N 11.265,339.023 r0 top (schematic designator R2)
R2B "36" RESC1608X64N 11.265,309.023 r0 top (schematic designator R2)
R2C "36" RESC1608X64N 11.265,279.023 r0 top (schematic designator R2)
R2D "36" RESC1608X64N 11.265,249.023 r0 top (schematic designator R2)
R2E "36" RESC1608X64N 11.265,219.023 r0 top (schematic designator R2)
R2F "36" RESC1608X64N 11.265,189.023 r0 top (schematic designator R2)
R2G "36" RESC1608X64N 11.265,159.023 r0 top (schematic designator R2)
R2H "36" RESC1608X64N 11.265,129.023 r0 top (schematic designator R2)
R2I "36" RESC1608X64N 11.265,99.023 r0 top (schematic designator R2)
R2J "36" RESC1608X64N 11.265,69.023 r0 top (schematic designator R2)
R2K "36" RESC1608X64N 11.265,39.023 r0 top (schematic designator R2)
R2L "36" RESC1608X64N 11.265,9.023 r0 top (schematic designator R2)
R3A "51" RESC2012X60N 49.391,347.643 r270 top (schematic designator R3)
R3B "51" RESC2012X60N 49.391,317.643 r270 top (schematic designator R3)
R3C "51" RESC2012X60N 49.391,287.643 r270 top (schematic designator R3)
R3D "51" RESC2012X60N 49.391,257.643 r270 top (schematic designator R3)
R3E "51" RESC2012X60N 49.391,227.643 r270 top (schematic designator R3)
R3F "51" RESC2012X60N 49.391,197.643 r270 top (schematic designator R3)
R3G "51" RESC2012X60N 49.391,167.643 r270 top (schematic designator R3)
R3H "51" RESC2012X60N 49.391,137.643 r270 top (schematic designator R3)
R3I "51" RESC2012X60N 49.391,107.643 r270 top (schematic designator R3)
R3J "51" RESC2012X60N 49.391,77.643 r270 top (schematic designator R3)
R3K "51" RESC2012X60N 49.391,47.643 r270 top (schematic designator R3)
R3L "51" RESC2012X60N 49.391,17.643 r270 top (schematic designator R3)
R4A "18" RESC1608X64N 11.374,336.948 r45 top (schematic designator R4)
R4B "18" RESC1608X64N 11.374,306.948 r45 top (schematic designator R4)
R4C "18" RESC1608X64N 11.374,276.948 r45 top (schematic designator R4)
R4D "18" RESC1608X64N 11.374,246.948 r45 top (schematic designator R4)
R4E "18" RESC1608X64N 11.374,216.948 r45 top (schematic designator R4)
R4F "18" RESC1608X64N 11.374,186.948 r45 top (schematic designator R4)
R4G "18" RESC1608X64N 11.374,156.948 r45 top (schematic designator R4)
R4H "18" RESC1608X64N 11.374,126.948 r45 top (schematic designator R4)
R4I "18" RESC1608X64N 11.374,96.948 r45 top (schematic designator R4)
R4J "18" RESC1608X64N 11.374,66.948 r45 top (schematic designator R4)
R4K "18" RESC1608X64N 11.374,36.948 r45 top (schematic designator R4)
R4L "18" RESC1608X64N 11.374,6.948 r45 top (schematic designator R4)
R5A "1k" RESC2012X60N 45.728,353.699 r90 top (schematic designator R5)
R5B "1k" RESC2012X60N 45.728,323.699 r90 top (schematic designator R5)
R5C "1k" RESC2012X60N 45.728,293.699 r90 top (schematic designator R5)
R5D "1k" RESC2012X60N 45.728,263.699 r90 top (schematic designator R5)
R5E "1k" RESC2012X60N 45.728,233.699 r90 top (schematic designator R5)
R5F "1k" RESC2012X60N 45.728,203.699 r90 top (schematic designator R5)
R5G "1k" RESC2012X60N 45.728,173.699 r90 top (schematic designator R5)
R5H "1k" RESC2012X60N 45.728,143.699 r90 top (schematic designator R5)
R5I "1k" RESC2012X60N 45.728,113.699 r90 top (schematic designator R5)
R5J "1k" RESC2012X60N 45.728,83.699 r90 top (schematic designator R5)
R5K "1k" RESC2012X60N 45.728,53.699 r90 top (schematic designator R5)
R5L "1k" RESC2012X60N 45.728,23.699 r90 top (schematic designator R5)
R6A "240" RESC1005X40N 13.017,340.709 r90 top (schematic designator R6)
R6B "240" RESC1005X40N 13.017,310.709 r90 top (schematic designator R6)
R6C "240" RESC1005X40N 13.017,280.709 r90 top (schematic designator R6)
R6D "240" RESC1005X40N 13.017,250.709 r90 top (schematic designator R6)
R6E "240" RESC1005X40N 13.017,220.709 r90 top (schematic designator R6)
R6F "240" RESC1005X40N 13.017,190.709 r90 top (schematic designator R6)
R6G "240" RESC1005X40N 13.017,160.709 r90 top (schematic designator R6)
R6H "240" RESC1005X40N 13.017,130.709 r90 top (schematic designator R6)
R6I "240" RESC1005X40N 13.017,100.709 r90 top (schematic designator R6)
R6J "240" RESC1005X40N 13.017,70.709 r90 top (schematic designator R6)
R6K "240" RESC1005X40N 13.017,40.709 r90 top (schematic designator R6)
R6L "240" RESC1005X40N 13.017,10.709 r90 top (schematic designator R6)
R7A "51" RESC2012X60N 47.304,347.643 r270 top (schematic designator R7)
R7B "51" RESC2012X60N 47.304,317.643 r270 top (schematic designator R7)
R7C "51" RESC2012X60N 47.304,287.643 r270 top (schematic designator R7)
R7D "51" RESC2012X60N 47.304,257.643 r270 top (schematic designator R7)
R7E "51" RESC2012X60N 47.304,227.643 r270 top (schematic designator R7)
R7F "51" RESC2012X60N 47.304,197.643 r270 top (schematic designator R7)
R7G "51" RESC2012X60N 47.304,167.643 r270 top (schematic designator R7)
R7H "51" RESC2012X60N 47.304,137.643 r270 top (schematic designator R7)
R7I "51" RESC2012X60N 47.304,107.643 r270 top (schematic designator R7)
R7J "51" RESC2012X60N 47.304,77.643 r270 top (schematic designator R7)
R7K "51" RESC2012X60N 47.304,47.643 r270 top (schematic designator R7)
R7L "51" RESC2012X60N 47.304,17.643 r270 top (schematic designator R7)
R8A "360" RESC2012X60N 11.398,346.889 r90 bottom (schematic designator R8)
R8B "360" RESC2012X60N 11.398,316.889 r90 bottom (schematic designator R8)
R8C "360" RESC2012X60N 11.398,286.889 r90 bottom (schematic designator R8)
R8D "360" RESC2012X60N 11.398,256.889 r90 bottom (schematic designator R8)
R8E "360" RESC2012X60N 11.398,226.889 r90 bottom (schematic designator R8)
R8F "360" RESC2012X60N 11.398,196.889 r90 bottom (schematic designator R8)
R8G "360" RESC2012X60N 11.398,166.889 r90 bottom (schematic designator R8)
R8H "360" RESC2012X60N 11.398,136.889 r90 bottom (schematic designator R8)
R8I "360" RESC2012X60N 11.398,106.889 r90 bottom (schematic designator R8)
R8J "360" RESC2012X60N 11.398,76.889 r90 bottom (schematic designator R8)
R8K "360" RESC2012X60N 11.398,46.889 r90 bottom (schematic designator R8)
R8L "360" RESC2012X60N 11.398,16.889 r90 bottom (schematic designator R8)
R9A "510" RESC1608X55N 3.514,344.002 r0 bottom (schematic designator R9)
R9B "510" RESC1608X55N 3.514,314.002 r0 bottom (schematic designator R9)
R9C "510" RESC1608X55N 3.514,284.002 r0 bottom (schematic designator R9)
R9D "510" RESC1608X55N 3.514,254.002 r0 bottom (schematic designator R9)
R9E "510" RESC1608X55N 3.514,224.002 r0 bottom (schematic designator R9)
R9F "510" RESC1608X55N 3.514,194.002 r0 bottom (schematic designator R9)
R9G "510" RESC1608X55N 3.514,164.002 r0 bottom (schematic designator R9)
R9H "510" RESC1608X55N 3.514,134.002 r0 bottom (schematic designator R9)
R9I "510" RESC1608X55N 3.514,104.002 r0 bottom (schematic designator R9)
R9J "510" RESC1608X55N 3.514,74.002 r0 bottom (schematic designator R9)
R9K "510" RESC1608X55N 3.514,44.002 r0 bottom (schematic designator R9)
R9L "510" RESC1608X55N 3.514,14.002 r0 bottom (schematic designator R9)
R10A "51" RESC2012X60N 6.914,346.899 r270 top (schematic designator R10)
R10B "51" RESC2012X60N 6.914,316.899 r270 top (schematic designator R10)
R10C "51" RESC2012X60N 6.914,286.899 r270 top (schematic designator R10)
R10D "51" RESC2012X60N 6.914,256.899 r270 top (schematic designator R10)
R10E "51" RESC2012X60N 6.914,226.899 r270 top (schematic designator R10)
R10F "51" RESC2012X60N 6.914,196.899 r270 top (schematic designator R10)
R10G "51" RESC2012X60N 6.914,166.899 r270 top (schematic designator R10)
R10H "51" RESC2012X60N 6.914,136.899 r270 top (schematic designator R10)
R10I "51" RESC2012X60N 6.914,106.899 r270 top (schematic designator R10)
R10J "51" RESC2012X60N 6.914,76.899 r270 top (schematic designator R10)
R10K "51" RESC2012X60N 6.914,46.899 r270 top (schematic designator R10)
R10L "51" RESC2012X60N 6.914,16.899 r270 top (schematic designator R10)
R11A "75" RESC1608X55N 43.435,341.781 r270 top (schematic designator R11)
R11B "75" RESC1608X55N 43.435,311.781 r270 top (schematic designator R11)
R11C "75" RESC1608X55N 43.435,281.781 r270 top (schematic designator R11)
R11D "75" RESC1608X55N 43.435,251.781 r270 top (schematic designator R11)
R11E "75" RESC1608X55N 43.435,221.781 r270 top (schematic designator R11)
R11F "75" RESC1608X55N 43.435,191.781 r270 top (schematic designator R11)
R11G "75" RESC1608X55N 43.435,161.781 r270 top (schematic designator R11)
R11H "75" RESC1608X55N 43.435,131.781 r270 top (schematic designator R11)
R11I "75" RESC1608X55N 43.435,101.781 r270 top (schematic designator R11)
R11J "75" RESC1608X55N 43.435,71.781 r270 top (schematic designator R11)
R11K "75" RESC1608X55N 43.435,41.781 r270 top (schematic designator R11)
R11L "75" RESC1608X55N 43.435,11.781 r270 top (schematic designator R11)
R12A "10k" RESC2012X60N 17.236,354.995 r180 top (schematic designator R12)
R12B "10k" RESC2012X60N 17.236,324.995 r180 top (schematic designator R12)
R12C "10k" RESC2012X60N 17.236,294.995 r180 top (schematic designator R12)
R12D "10k" RESC2012X60N 17.236,264.995 r180 top (schematic designator R12)
R12E "10k" RESC2012X60N 17.236,234.995 r180 top (schematic designator R12)
R12F "10k" RESC2012X60N 17.236,204.995 r180 top (schematic designator R12)
R12G "10k" RESC2012X60N 17.236,174.995 r180 top (schematic designator R12)
R12H "10k" RESC2012X60N 17.236,144.995 r180 top (schematic designator R12)
R12I "10k" RESC2012X60N 17.236,114.995 r180 top (schematic designator R12)
R12J "10k" RESC2012X60N 17.236,84.995 r180 top (schematic designator R12)
R12K "10k" RESC2012X60N 17.236,54.995 r180 top (schematic designator R12)
R12L "10k" RESC2012X60N 17.236,24.995 r180 top (schematic designator R12)
R13A "1k" RESC2012X60N 18.314,359.103 r0 top (schematic designator R13)
R13B "1k" RESC2012X60N 18.314,329.103 r0 top (schematic designator R13)
R13C "1k" RESC2012X60N 18.314,299.103 r0 top (schematic designator R13)
R13D "1k" RESC2012X60N 18.314,269.103 r0 top (schematic designator R13)
R13E "1k" RESC2012X60N 18.314,239.103 r0 top (schematic designator R13)
R13F "1k" RESC2012X60N 18.314,209.103 r0 top (schematic designator R13)
R13G "1k" RESC2012X60N 18.314,179.103 r0 top (schematic designator R13)
R13H "1k" RESC2012X60N 18.314,149.103 r0 top (schematic designator R13)
R13I "1k" RESC2012X60N 18.314,119.103 r0 top (schematic designator R13)
R13J "1k" RESC2012X60N 18.314,89.103 r0 top (schematic designator R13)
R13K "1k" RESC2012X60N 18.314,59.103 r0 top (schematic designator R13)
R13L "1k" RESC2012X60N 18.314,29.103 r0 top (schematic designator R13)
R14A "20" RESC2012X60N 18.03,336.6 r90 bottom (schematic designator R14)
R14B "20" RESC2012X60N 18.03,306.6 r90 bottom (schematic designator R14)
R14C "20" RESC2012X60N 18.03,276.6 r90 bottom (schematic designator R14)
R14D "20" RESC2012X60N 18.03,246.6 r90 bottom (schematic designator R14)
R14E "20" RESC2012X60N 18.03,216.6 r90 bottom (schematic designator R14)
R14F "20" RESC2012X60N 18.03,186.6 r90 bottom (schematic designator R14)
R14G "20" RESC2012X60N 18.03,156.6 r90 bottom (schematic designator R14)
R14H "20" RESC2012X60N 18.03,126.6 r90 bottom (schematic designator R14)
R14I "20" RESC2012X60N 18.03,96.6 r90 bottom (schematic designator R14)
R14J "20" RESC2012X60N 18.03,66.6 r90 bottom (schematic designator R14)
R14K "20" RESC2012X60N 18.03,36.6 r90 bottom (schematic designator R14)
R14L "20" RESC2012X60N 18.03,6.6 r90 bottom (schematic designator R14)
R15A "100" RESC2012X60N 7.708,356.984 r135 bottom (schematic designator R15)
R15B "100" RESC2012X60N 7.708,326.984 r135 bottom (schematic designator R15)
R15C "100" RESC2012X60N 7.708,296.984 r135 bottom (schematic designator R15)
R15D "100" RESC2012X60N 7.708,266.984 r135 bottom (schematic designator R15)
R15E "100" RESC2012X60N 7.708,236.984 r135 bottom (schematic designator R15)
R15F "100" RESC2012X60N 7.708,206.984 r135 bottom (schematic designator R15)
R15G "100" RESC2012X60N 7.708,176.984 r135 bottom (schematic designator R15)
R15H "100" RESC2012X60N 7.708,146.984 r135 bottom (schematic designator R15)
R15I "100" RESC2012X60N 7.708,116.984 r135 bottom (schematic designator R15)
R15J "100" RESC2012X60N 7.708,86.984 r135 bottom (schematic designator R15)
R15K "100" RESC2012X60N 7.708,56.984 r135 bottom (schematic designator R15)
R15L "100" RESC2012X60N 7.708,26.984 r135 bottom (schematic designator R15)
R16A "10k" RESC2012X60N 28.191,334.775 r90 top (schematic designator R16)
R16B "10k" RESC2012X60N 28.191,304.775 r90 top (schematic designator R16)
R16C "10k" RESC2012X60N 28.191,274.775 r90 top (schematic designator R16)
R16D "10k" RESC2012X60N 28.191,244.775 r90 top (schematic designator R16)
R16E "10k" RESC2012X60N 28.191,214.775 r90 top (schematic designator R16)
R16F "10k" RESC2012X60N 28.191,184.775 r90 top (schematic designator R16)
R16G "10k" RESC2012X60N 28.191,154.775 r90 top (schematic designator R16)
R16H "10k" RESC2012X60N 28.191,124.775 r90 top (schematic designator R16)